# Altium PCB board_layout.pcbdoc (part 2 of 4) (continued)
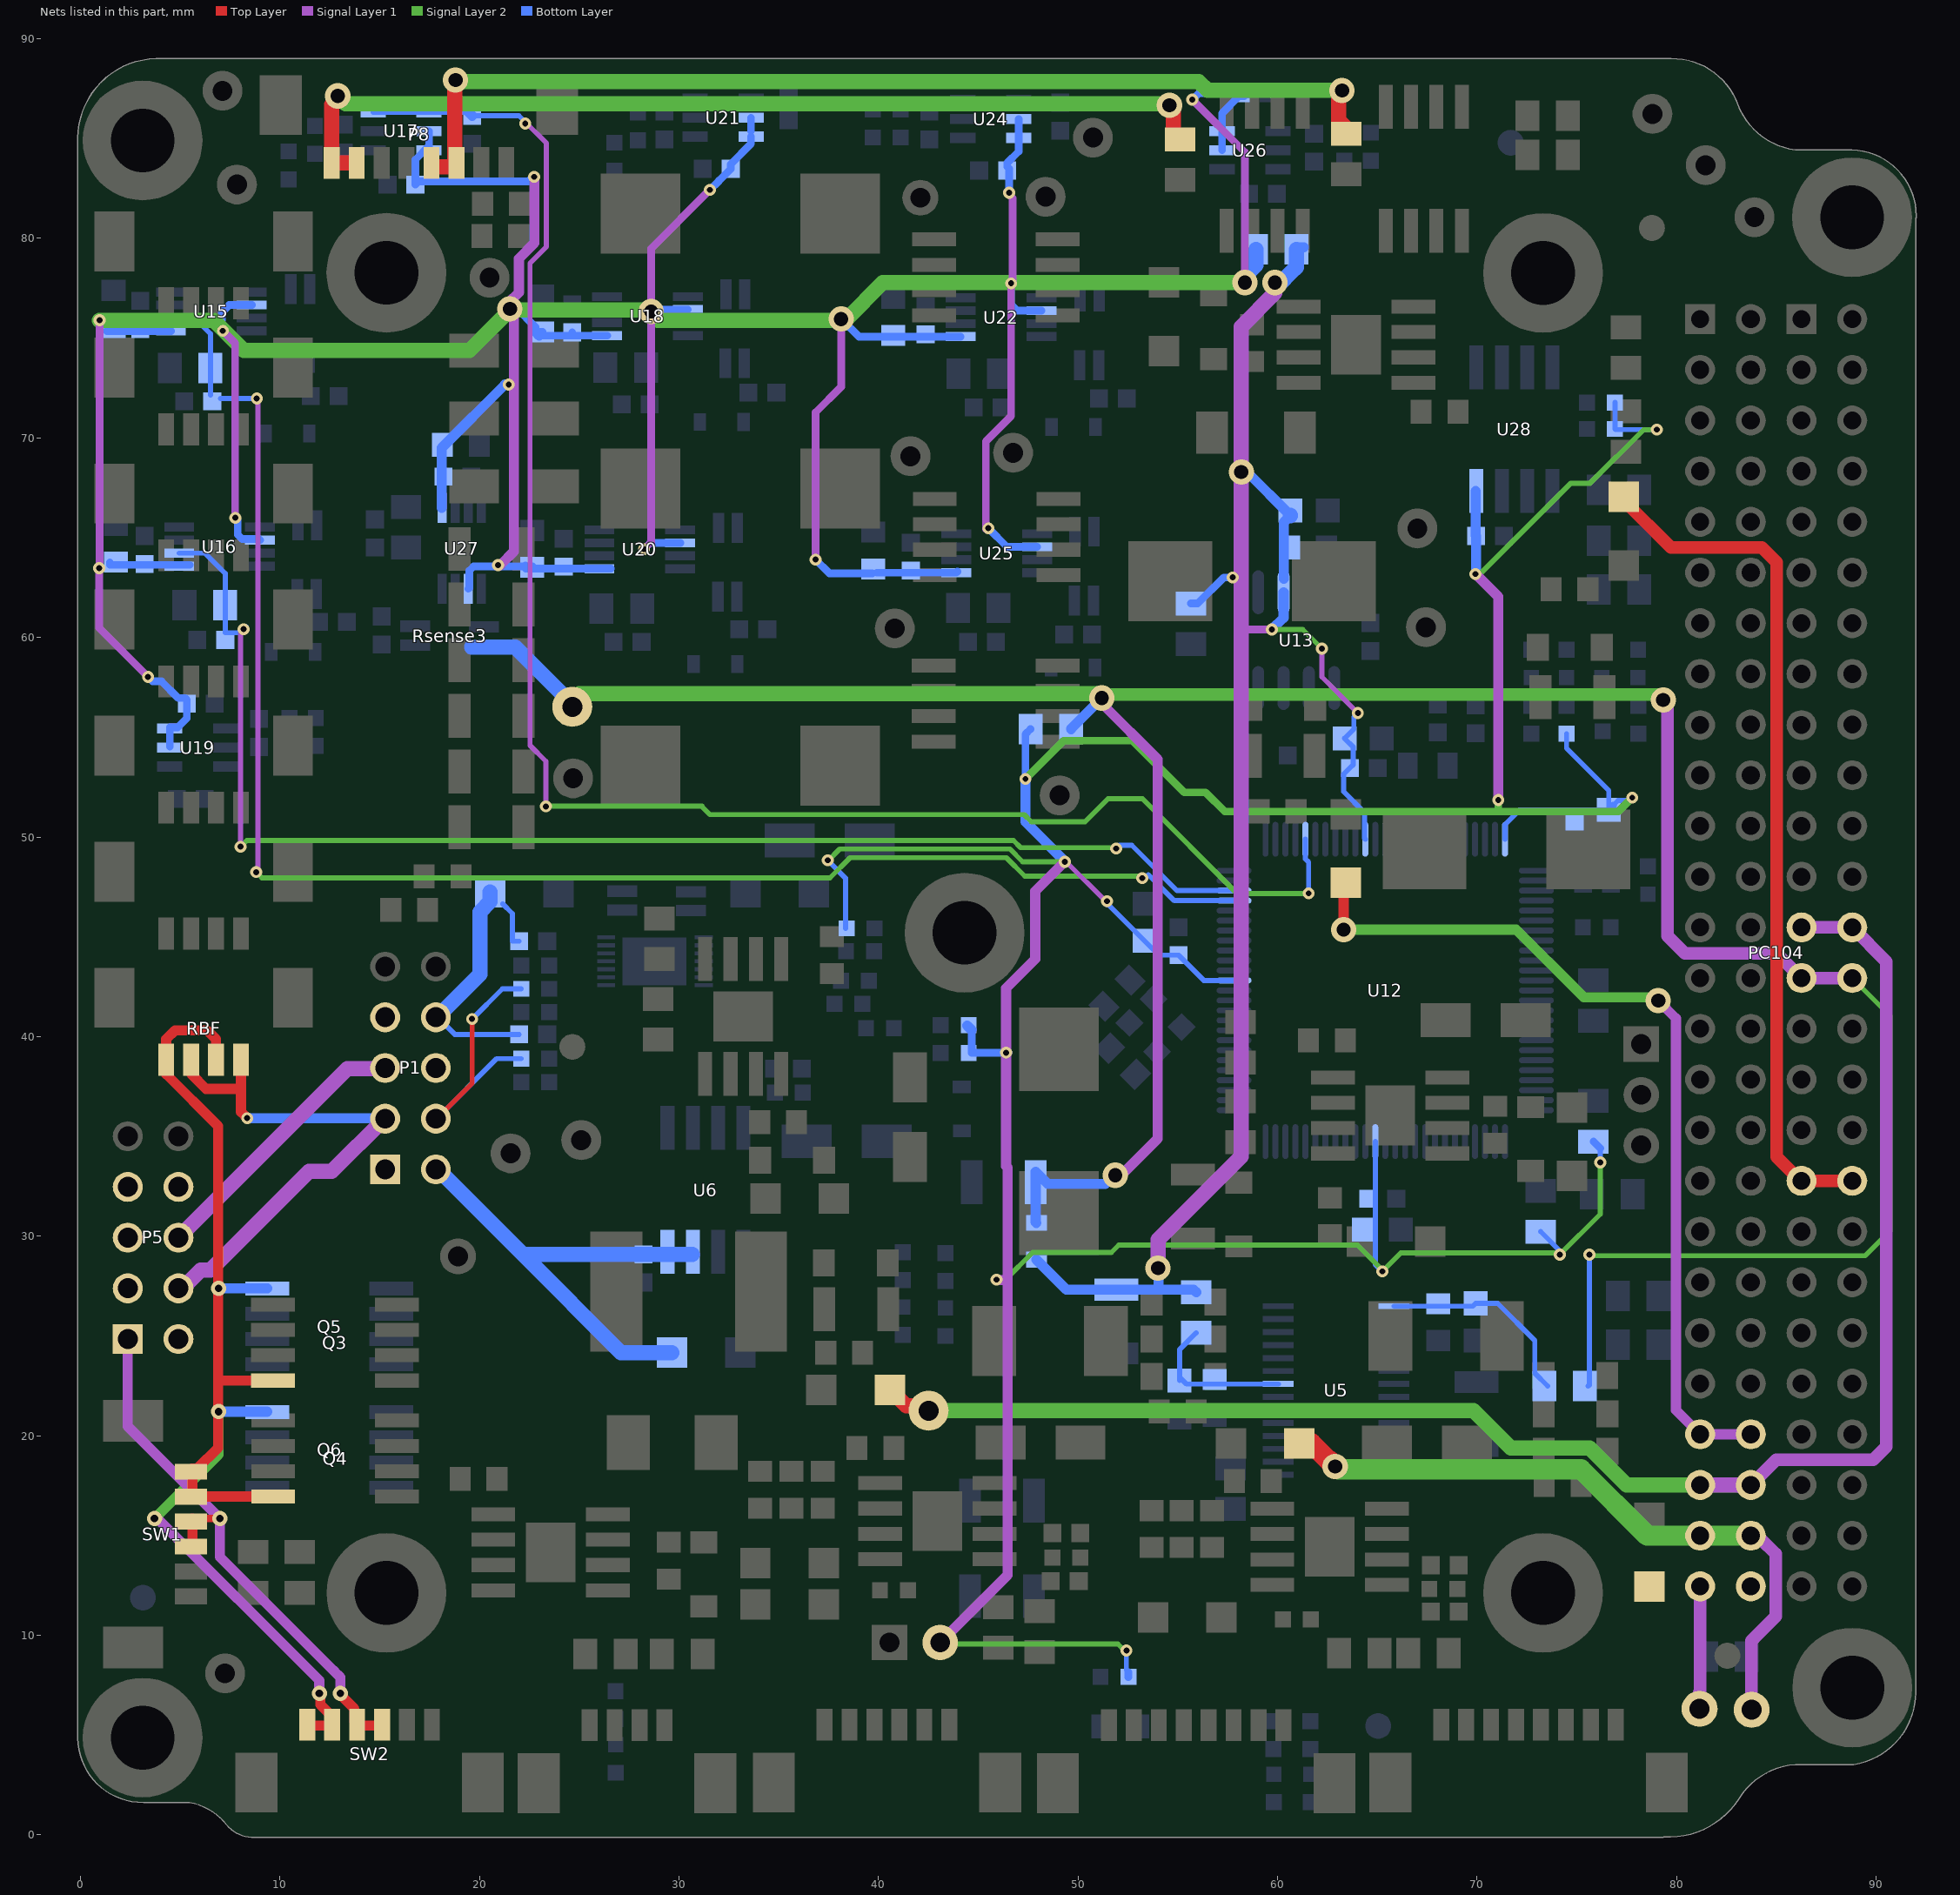
[diagram p4: the nets of this part, all layers, seen from the top]
## Part data (continued)
U6: "MOSFET 2N-CH 20V 9.4A 8SOIC", Case/Package=SOIC, Continuous Drain Current (ID)=9.4A, Drain to Source Breakdown Voltage=20V, Drain to Source Resistance=14mR, Gate to Source Voltage (Vgs)=12V, Input Capacitance=1.821nF, Manufacturer="ON Semiconductor / Fairchild", Max Operating Temperature=150°C, Max Power Dissipation=2W, Min Operating Temperature=-55°C, On-State Resistance=14MR, Package Quantity=2500, Supplier Part Number 1=512-FDS6898AZ, Threshold Voltage=1V, ComponentLink1Description=http://www.farnell.com/datasheets/78816.pdf?src-supplier=Element14, ComponentLink1URL=http://www.farnell.com/datasheets/78816.pdf?src-supplier=Element14, ComponentLink2Description=http://www.jameco.com/Jameco/Products/ProdDS/2036226.pdf?src-supplier=Jameco, ComponentLink2URL=http://www.jameco.com/Jameco/Products/ProdDS/2036226.pdf?src-supplier=Jameco, ComponentLink3Description=https://www.fairchildsemi.com/datasheets/FD/FDS6898AZ.pdf?src-supplier=Avnet+Europe, ComponentLink3URL=https://www.fairchildsemi.com/datasheets/FD/FDS6898AZ.pdf?src-supplier=Avnet+Europe, ComponentLink4Description=http://www.fairchildsemi.com/ds/FD/FDS6898AZ.pdf?src-supplier=Future+Electronics, ComponentLink4URL=http://www.fairchildsemi.com/ds/FD/FDS6898AZ.pdf?src-supplier=Future+Electronics, ComponentLink5Description=https://www.fairchildsemi.com/datasheets/FD/FDS6898AZ.pdf?src-supplier=Avnet, ComponentLink5URL=https://www.fairchildsemi.com/datasheets/FD/FDS6898AZ.pdf?src-supplier=Avnet, ComponentLink6Description=http://www.fairchildsemi.com/datasheets/FD/FDS6898AZ.pdf?src-supplier=Digi-Key, ComponentLink6URL=http://www.fairchildsemi.com/datasheets/FD/FDS6898AZ.pdf?src-supplier=Digi-Key, ComponentLink7Description=https://www.fairchildsemi.com/datasheets/FD/FDS6898AZ.pdf?src-supplier=Digi-Key, ComponentLink7URL=https://www.fairchildsemi.com/datasheets/FD/FDS6898AZ.pdf?src-supplier=Digi-Key, ComponentLink8Description=http://www.mouser.com/ds/2/149/FDS6898AZ-52419.pdf?src-supplier=Mouser, ComponentLink8URL=http://www.mouser.com/ds/2/149/FDS6898AZ-52419.pdf?src-supplier=Mouser, ComponentLink9Description=http://www.farnell.com/datasheets/78816.pdf?src-supplier=Farnell, ComponentLink9URL=http://www.farnell.com/datasheets/78816.pdf?src-supplier=Farnell, ComponentLink10Description=http://datasheet.iiic.cc/fairchild/FDS6898AZ.pdf?src-supplier=IIIC, ComponentLink10URL=http://datasheet.iiic.cc/fairchild/FDS6898AZ.pdf?src-supplier=IIIC, Contact Plating=Tin,Matte, Current Rating=9.4A, Drain to Source Voltage (Vdss)=20V, Dual Supply Voltage=20V, Element Configuration=Dual, Fall Time=16ns, FET Type="2 N-Channel", Height=1.5mm, Lead Free="Lead Free", Length=5mm, Manufacturer Part Number=FDS6898AZ, Mount="Surface Mount", Nominal Vgs=1V, Number of Elements=2, Number of Pins=8, Packaging="Tape and Reel", Partnumber=FDS6898AZ, Power Dissipation=2W, Pricing 1="1=0.95, 10=0.809, 100=0.607, 250=0.588, 500=0.514, 1000=0.419 (USD)", Pricing 2="1=0.95, 10=0.853, 25=0.8096, 100=0.6071, 250=0.60132, 500=0.5146, 1000=0.4192 (USD)", Rds On Max=14mR, REACH SVHC="No SVHC", Rise Time=15ns, Stock 1=4140, Stock 2=0, Supplier 1=Mouser, Supplier 2=Digi-Key, Supplier Part Number 2=FDS6898AZCT-ND, Termination=SMD/SMT, Turn-Off Delay Time=34ns, Turn-On Delay Time=10ns, Voltage Rating (DC)=20V, Weight=0.187g, Width=4mm
U7: "Battery Management 2-Cell, Stand-Alone, Li+ Fuel-Gauge IC with Protector and Optional SHA-1 Authentication", Case/Package=DFN, Manufacturer=Maxim, Manufacturer Part Number=DS2775G+, Max Operating Temperature=70°C, Max Supply Voltage=9.2V, Min Operating Temperature=-20°C, Min Supply Voltage=4V, Operating Supply Current=80uA, Output Voltage=4.7V, Package Quantity=60, Supplier Part Number 1=700-DS2775G, ComponentLink1Description=http://datasheets.maximintegrated.com/en/ds/DS2775-DS2778.pdf?src-supplier=Digi-Key, ComponentLink1URL=http://datasheets.maximintegrated.com/en/ds/DS2775-DS2778.pdf?src-supplier=Digi-Key, ComponentLink2Description=http://datasheets.maxim-ic.com/en/ds/DS2775-DS2778.pdf?src-supplier=Avnet+Europe, ComponentLink2URL=http://datasheets.maxim-ic.com/en/ds/DS2775-DS2778.pdf?src-supplier=Avnet+Europe, Interface=Serial, Mount="Surface Mount", Number of Pins=14, Packaging=Rail/Tube, Partnumber=DS2777G+, Pricing 2="1=5.92, 10=5.35, 25=5.1008, 100=4.2299, 250=3.85672, 500=3.8256 (USD)", Radiation Hardening=No, REACH SVHC=Unknown, Stock 1=0, Stock 2=193, Supplier 1=Mouser, Supplier 2=Digi-Key, Supplier Part Number 2=DS2775G+-ND
U10: Manufacturer="Texas Instruments", Max Input Voltage=36V, Max Operating Temperature=125°C, Max Output Current=3A, Max Output Voltage=31V, Min Input Voltage=5.5V, Min Operating Temperature=-40°C, Min Output Voltage=1.22V, Package Quantity=2500, Quiescent Current=3mA, Supplier Part Number 1=595-TPS5430QDDARQ1, Switching Frequency=500kHz, ComponentLink1Description=http://www.ti.com/general/docs/lit/getliterature.tsp?genericPartNumber=TPS5430-Q1&&fileType=pdf&src-supplier=Avnet, ComponentLink1URL=http://www.ti.com/general/docs/lit/getliterature.tsp?genericPartNumber=TPS5430-Q1&&fileType=pdf&src-supplier=Avnet, ComponentLink2Description=http://focus.ti.com/lit/ds/symlink/tps5430-q1.pdf?src-supplier=Avnet+Europe, ComponentLink2URL=http://focus.ti.com/lit/ds/symlink/tps5430-q1.pdf?src-supplier=Avnet+Europe, ComponentLink3Description=http://www.ti.com/lit/ds/symlink/tps5430-q1.pdf?src-supplier=Digi-Key, ComponentLink3URL=http://www.ti.com/lit/ds/symlink/tps5430-q1.pdf?src-supplier=Digi-Key, ComponentLink4Description=http://www.farnell.com/datasheets/2019094.pdf?src-supplier=Element14, ComponentLink4URL=http://www.farnell.com/datasheets/2019094.pdf?src-supplier=Element14, ComponentLink5Description=http://www.ti.com/lit/gpn/tps5430-q1?src-supplier=Mouser, ComponentLink5URL=http://www.ti.com/lit/gpn/tps5430-q1?src-supplier=Mouser, ComponentLink6Description=http://datasheet.iiic.cc/texas_instruments/TPS5430QDDARQ1.pdf?src-supplier=IIIC, ComponentLink6URL=http://datasheet.iiic.cc/texas_instruments/TPS5430QDDARQ1.pdf?src-supplier=IIIC, Efficiency=95%, Lead Free="Lead Free", Manufacturer Part Number=TPS5430QDDARQ1, Mount="Surface Mount", Number of Outputs=1, Number of Pins=8, Operating Supply Voltage=36V, Output Current=3A, Output Type=Adjustable, Output Voltage=31V, Packaging="Tape and Reel", Partnumber=TPS5430QDDARQ1, Pricing 1="1=4.82, 10=4.32, 25=4.09, 100=3.36, 250=3.02, 500=2.91 (USD)", Pricing 2="1=4.81, 10=4.32, 25=4.0836, 100=3.3578, 250=3.01292, 500=2.904, 1000=2.41395 (USD)", Radiation Hardening=No, REACH SVHC="No SVHC", Stock 1=2625, Stock 2=2162, Supplier 1=Mouser, Supplier 2=Digi-Key, Supplier Part Number 2=296-23177-1-ND, Synchronous Rectifier=No, Weight=0.00249oz
U12: "Imported", Alternate PartNumber=MSP430F6659IPZ, Case/Package=LQFP, Frequency=20MHz, Manufacturer="Texas Instruments", Max Operating Temperature=85°C, Max Supply Voltage=3.6V, Min Operating Temperature=-40°C, Min Supply Voltage=1.8V, Package Quantity=90, Supplier Part Number 1=595-MSP430F6659IPZ, ComponentLink1Description=http://www.ti.com/general/docs/lit/getliterature.tsp?genericPartNumber=MSP430F6659&&fileType=pdf&src-supplier=Element14, ComponentLink1URL=http://www.ti.com/general/docs/lit/getliterature.tsp?genericPartNumber=MSP430F6659&&fileType=pdf&src-supplier=Element14, CompType=IC, Core Architecture=CPUXV2, Data Bus Width=16b, Interface=SPI,USB,UART,I2C,IrDA,USART,SCI, Lead Free="Lead Free", Manufacturer Part Number=MSP430F6659IPZ, Max Frequency=20MHz, Memory Size=512KB, Memory Type=FLASH, Mount="Surface Mount", MountType=SMT, Number of A/D Converters=16, Number of I/Os=74, Number of Pins=100, Number of Programmable I/O=74, Number of Timers/Counters=4, Number of UART Channels=3, Oscillator Type=Internal, PackageReference=PZ0100A, Packaging=Tray, Partnumber=MSP430F6659IPZR, Peripherals="Brown-out Detect/Reset,POR,PWM,WDT,DMA,LCD", PIN_COUNT=100, Pricing 1="1=13.59, 10=12.49, 25=11.97, 100=10.55, 250=10.03, 500=9.39 (USD)", Pricing 2="1=13.59, 10=12.487, 25=11.9696, 100=10.5461, 250=10.02852, 500=9.3815, 1000=8.6051, 2500=8.2816, 5000=8.0228 (USD)", RAM Size=66KB, REACH SVHC="No SVHC", RefDes=RefDes, RoHS=Y, Stock 1=288, Stock 2=457, Supplier 1=Mouser, Supplier 2=Digi-Key, Supplier Part Number 2=296-41521-ND, Type=DEV, Watchdog Timer=Yes
U13: library part REF5025A-Q1, "REF5025A-Q1", Case/Package=D, Manufacturer="Texas Instruments", Max Input Voltage=18V, Max Operating Temperature=125°C, Max Output Current=10mA, Max Output Voltage=2.5V, Min Input Voltage=2.7V, Min Operating Temperature=-40°C, Nominal Supply Current=800uA, Operating Supply Current=1.2mA, Package Quantity=1, Supplier Part Number 1=595-REF5025AQDRQ1, Temperature Coefficient=3ppm/°C, Tolerance=0.1%, ComponentLink1Description=http://www.ti.com/lit/ds/symlink/ref5025a-q1.pdf?src-supplier=Digi-Key, ComponentLink1URL=http://www.ti.com/lit/ds/symlink/ref5025a-q1.pdf?src-supplier=Digi-Key, Lead Free="Lead Free", Manufacturer Part Number=REF5025AQDRQ1, Min Output Voltage=2.5V, Number of Pins=8, Output Current=10mA, Output Type=Fixed, Output Voltage=2.5V, Packaging="Tape and Reel", Partnumber=REF5025AQDRQ1, Pricing 1="1=3.45, 10=3.09, 25=2.93, 100=2.41, 250=2.16, 500=2.08 (USD)", Pricing 2="1=3.44, 10=3.089, 25=2.9204, 100=2.4013, 250=2.15468, 500=2.0768, 1000=1.72634 (USD)", Quiescent Current=800uA, Radiation Hardening=No, Reference Type=Series, Stock 1=493, Stock 2=1161, Supplier 1=Mouser, Supplier 2=Digi-Key, Supplier Part Number 2=296-24222-1-ND, Weight=0.002677oz
U15 U16 U18 U20 U22 U25 U27: Case/Package=UMAX, Input Bias Current=35uA, Input Offset Voltage (Vos)=10uV, Manufacturer=Maxim, Max Operating Temperature=125°C, Max Supply Voltage=3.6V, Min Operating Temperature=-40°C, Min Supply Voltage=2.5V, Nominal Supply Current=120uA, Package Quantity=50, Supplier Part Number 1=700-MAX9934TAUA, -3db Bandwidth=1.5kHz, Bandwidth=1.5kHz, Common Mode Rejection Ratio=128dB, ComponentLink1Description=https://media.digikey.com/pdf/Data%20Sheets/Maxim%20PDFs/PartNumberBreakdown_ds.pdf?src-supplier=Digi-Key, ComponentLink1URL=https://media.digikey.com/pdf/Data%20Sheets/Maxim%20PDFs/PartNumberBreakdown_ds.pdf?src-supplier=Digi-Key, Manufacturer Part Number=MAX9934TAUA+, Number of Amplifiers=1, Number of Circuits=1, Number of Pins=8, Operating Supply Current=120uA, Packaging=Rail/Tube, Partnumber=MAX9934TAUA+, Pricing 1="1=2.18, 10=1.96, 25=1.85, 50=1.85, 100=1.56, 250=1.56 (USD)", Pricing 2="1=2.35, 10=2.112, 25=1.9964, 100=1.6414, 250=1.55904 (USD)", Radiation Hardening=No, REACH SVHC=Unknown, Stock 1=542, Stock 2=2797, Supplier 1=Mouser, Supplier 2=Digi-Key, Supplier Part Number 2=MAX9934TAUA+-ND
U17 U19 U21 U24 U26: Case/Package=SOT-23-6, Input Bias Current=3nA, Input Offset Voltage (Vos)=1.25mV, Manufacturer="Texas Instruments", Max Operating Temperature=125°C, Max Supply Voltage=5.5V, Min Operating Temperature=-40°C, Min Supply Voltage=1.5V, Nominal Supply Current=150uA, Operating Supply Current=75uA, Output Current=115mA, Package Quantity=1, Supplier Part Number 1=595-TLV341AIDBVR, Voltage Gain=110dB, Bandwidth=2.2MHz, Common Mode Rejection Ratio=50dB, ComponentLink1Description=http://www.ti.com/lit/ds/symlink/tlv341.pdf?src-supplier=Digi-Key, ComponentLink1URL=http://www.ti.com/lit/ds/symlink/tlv341.pdf?src-supplier=Digi-Key, ComponentLink2Description=http://focus.ti.com/lit/ds/symlink/tlv341.pdf?src-supplier=Avnet, ComponentLink2URL=http://focus.ti.com/lit/ds/symlink/tlv341.pdf?src-supplier=Avnet, Gain Bandwidth Product=2.3MHz, Lead Free="Lead Free", Manufacturer Part Number=TLV341AIDBVR, Max I/O Voltage=1.25mV, Nominal Gain Bandwidth Product=2.2MHz, Number of Channels=1, Number of Circuits=1, Number of Elements=1, Number of Pins=6, Output Current per Channel=115mA, Packaging="Tape and Reel", Partnumber=TLV341AIDBVR, Pricing 1="1=1.1, 10=0.927, 100=0.712, 250=0.629, 500=0.596, 1000=0.464 (USD)", Pricing 2="1=1.09, 10=0.976, 25=0.9268, 100=0.7117, 250=0.62892, 500=0.5958, 1000=0.4634 (USD)", Radiation Hardening=No, Slew Rate=0.9V/µs, Stock 1=2448, Stock 2=1726, Supplier 1=Mouser, Supplier 2=Digi-Key, Supplier Part Number 2=296-17680-1-ND, Unity Gain Bandwidth Product=2.3MHz
U28: "IC SIGNAL BUFFER I2C 8SOIC", Case/Package=SOIC, Manufacturer="Texas Instruments", Max Frequency=400kHz, Max Operating Temperature=85°C, Max Supply Current=7mA, Max Supply Voltage=5.5V, Min Operating Temperature=-40°C, Min Supply Voltage=2.7V, Operating Supply Current=5.1mA, Package Quantity=1, Supplier Part Number 1=595-TCA4311ADR, ComponentLink1Description=http://www.ti.com/general/docs/lit/getliterature.tsp?genericPartNumber=TCA4311A&&fileType=pdf&src-supplier=Avnet, ComponentLink1URL=http://www.ti.com/general/docs/lit/getliterature.tsp?genericPartNumber=TCA4311A&&fileType=pdf&src-supplier=Avnet, ComponentLink2Description=http://www.ti.com/lit/ds/symlink/tca4311a.pdf?src-supplier=Avnet+Europe, ComponentLink2URL=http://www.ti.com/lit/ds/symlink/tca4311a.pdf?src-supplier=Avnet+Europe, ComponentLink3Description=http://www.ti.com/lit/ds/symlink/tca4311a.pdf?src-supplier=Digi-Key, ComponentLink3URL=http://www.ti.com/lit/ds/symlink/tca4311a.pdf?src-supplier=Digi-Key, ComponentLink4Description=https://www.verical.com/server-webapp/html/getDatasheet?partID=424385&src-supplier=Verical, ComponentLink4URL=https://www.verical.com/server-webapp/html/getDatasheet?partID=424385&src-supplier=Verical, ComponentLink5Description=http://www.produktinfo.conrad.com/datenblaetter/1100000-1199999/001187988-da-01-en-IC_BUS_BUFF_I2C_HO_TCA4311ADR_SOIC_8_TID.pdf?src-supplier=Conrad, ComponentLink5URL=http://www.produktinfo.conrad.com/datenblaetter/1100000-1199999/001187988-da-01-en-IC_BUS_BUFF_I2C_HO_TCA4311ADR_SOIC_8_TID.pdf?src-supplier=Conrad, Contact Plating=Gold, Depth=4mm, Interface=I2C, Lead Free="Lead Free", Length=5mm, Manufacturer Part Number=TCA4311ADR, Mount="Surface Mount", Number of Channels=1, Number of Outputs=2, Number of Pins=8, Packaging="Tape and Reel", Partnumber=TCA4311ADR, Pricing 1="1=2.07, 10=1.75, 100=1.4, 250=1.23, 500=1.19, 1000=0.945 (USD)", Pricing 2="1=2.07, 10=1.855, 25=1.75, 100=1.4, 250=1.225, 500=1.19, 1000=0.945 (USD)", Radiation Hardening=No, REACH SVHC="No SVHC", Stock 1=2408, Stock 2=4307, Supplier 1=Mouser, Supplier 2=Digi-Key, Supplier Part Number 2=296-30189-1-ND
UART: library part "Header 3H", "Header, 3-Pin, Right Angle", Contact Current Rating=3A, Flammability Rating="UL94 V-0", High Temperature Housing=No, Housing Color=Black, Insulation Resistance=5GR, Manufacturer="TE Connectivity AMP", Manufacturer Part Number=4-103327-5, Max Operating Temperature=105°C, Min Operating Temperature=-65°C, Package Quantity=540, Supplier Part Number 1=571-4-103327-5, Approvals=CSA, Board Standoff="No (Without)", Connector Type=Plug,Header,Pin, Contact Gender=Male, Contact Material=Bronze, Contact Mating Length=0.23inch, Contact Plating=Tin, Contact Post Length=0.12inch, Contact Protection="No (Without)", Contact Shape=Square, Current Rating=3A, Depth=2.34mm, ELV=Compliant, Fitted="Yes (eng model only)", Gasket="No (Without)", High Speed Serial Data Connector=No, Housing Material=Thermoplastic, Keyed=No, LatestRevisionDate=17-Jul-2002, LatestRevisionNote="Re-released for DXP Platform.", Length=7.21mm, Mating Connector Lock="No (Without)", Mount="Through Hole", Number of Contacts=3, Number of Positions=3, Number of Rows=1, Orientation=Straight, Packaging=Carton, Partnumber=4-103327-5, PCB Mount Retention=Without, PCB Mounting Orientation=Vertical, Pitch=2.54mm, Pricing 1="1=0.26, 10=0.182, 100=0.157, 500=0.15, 1000=0.125, 2500=0.107 (USD)", Pricing 2="1=0.26, 10=0.25, 100=0.1753, 500=0.1503, 1000=0.12525, 5000=0.10736, 10000=0.1002 (USD)", Publisher="Altium Limited", Radiation Hardening=No, Row Spacing=2.54mm, Selectively Loaded="No (Without)", Stabilizers="No (Without)", Stock 1=2961, Stock 2=16328, Strain Relief="No (Without)", Supplier 1=Mouser, Supplier 2=Digi-Key, Supplier Part Number 2=A128778-ND, Termination="Through Hole"
V1 V2 V3 V4: library part R27_5%_1/10W_0805, "RES 47k OHM 1/10W 1% 0805", Partnumber=RC0805FR-0747KL, NCM=8533.21.20
Y1: library part XTAL_32MHz_SMD_4-SMD, "32MHz ±10ppm Crystal 10pF 60 Ohm -40°C ~ 125°C", Case/Package=SMD/SMT, ESR (Equivalent Series Resistance)=60R, Frequency=32MHz, Frequency Stability=25ppm, Frequency Tolerance=10ppm, Load Capacitance=10pF, Manufacturer=Abracon, Manufacturer Part Number=ABM8X-102-32.000MHZ-T, Max Operating Temperature=125°C, Min Operating Temperature=-40°C, Package Quantity=1000, Supplier Part Number 1=815-ABM8X-102-32.0-T, Tolerance=50ppm, ComponentLink1Description=http://www.mouser.com/ds/2/3/ABM8X-39996.pdf?src-supplier=Mouser, ComponentLink1URL=http://www.mouser.com/ds/2/3/ABM8X-39996.pdf?src-supplier=Mouser, ComponentLink2Description=http://abracon.com/Resonators/ABM8X.pdf?src-supplier=Digi-Key, ComponentLink2URL=http://abracon.com/Resonators/ABM8X.pdf?src-supplier=Digi-Key, Composition=Ceramic, Height=0.024inch, Length=0.126inch, Mount="Surface Mount", NCM=8541.60.10, Packaging="Tape and Reel", Partnumber=ABM8X-102-32.000MHZ-T, Pricing 1="1=6.08, 10=5.86, 25=5.68, 50=5.51, 100=5.35, 250=5.19 (USD)", Pricing 2="1=6.22, 10=5.864, 50=5.6866, 100=5.5089, 500=5.15344 (USD)", Stock 1=365, Stock 2=689, Supplier 1=Mouser, Supplier 2=Digi-Key, Supplier Part Number 2=535-11454-1-ND, Termination=SMD/SMT, Width=2.5mm
Y2: library part Xtal_32.768kHz_12pF_2_SMD, "32.768kHz ±20ppm Crystal 12.5pF 70 kOhm -40°C ~ 125°C", Case/Package=SMD/SMT, ESR (Equivalent Series Resistance)=70kR, Frequency=32.768kHz, Frequency Tolerance=20ppm, Load Capacitance=12.5pF, Manufacturer="ECS International", Manufacturer Part Number=ECS-.327-12.5-34S-TR, Max Operating Temperature=125°C, Min Operating Temperature=-40°C, Package Quantity=3000, Supplier Part Number 1=520-ECS32.7-12.534ST, ComponentLink1Description=http://www.ecsxtal.com/store/pdf/ECX_34S.pdf?src-supplier=Digi-Key, ComponentLink1URL=http://www.ecsxtal.com/store/pdf/ECX_34S.pdf?src-supplier=Digi-Key, ComponentLink2Description=http://www.ecsxtal.com/store/pdf/partnumber4.pdf?src-supplier=Digi-Key, ComponentLink2URL=http://www.ecsxtal.com/store/pdf/partnumber4.pdf?src-supplier=Digi-Key, Height=0.035inch, Lead Free="Lead Free", Lead Pitch=1.8mm, Length=0.126inch, Mount="Surface Mount", NCM=8541.60.10, Number of Pins=2, Packaging="Tape and Reel", Partnumber=ECS-.327-12.5-34S-TR, Pricing 1="1=1.25, 10=1.11, 50=1.04, 100=0.913, 500=0.864, 1000=0.72 (USD)", Pricing 2="1=1.07, 10=0.944, 50=0.8828, 100=0.7802, 500=0.73918, 1000=0.61598 (USD)", Stock 1=9496, Stock 2=16165, Supplier 1=Mouser, Supplier 2=Digi-Key, Supplier Part Number 2=XC1967CT-ND, Termination=SMD/SMT, Tolerance=20ppm, Width=1.5mm

## Free pads (board coordinates)
  round 2 hole 1: 4(7.126,87.396) 4(83.9,81.058) 5(7.256,8.096)

## Via types
v1: diameter 0.6, hole 0.3, Top Layer to Bottom Layer, tented both sides, 251 vias
v2: diameter 1.27, hole 0.711, Top Layer to Bottom Layer, tented both sides, 53 vias
v3: diameter 1.27, hole 0.711, Top Layer to Bottom Layer, 24 vias
v4: diameter 0.762, hole 0.381, Top Layer to Bottom Layer, tented both sides, 9 vias
v5: diameter 0.6, hole 0.3, Top Layer to Bottom Layer, 2 vias
v6: diameter 1.15, hole 0.6, Top Layer to Bottom Layer, tented both sides, 1 vias

## Nets (pads, with @x,y where several pads share a name; then routed paths per layer and width w, separated by ;. In a path a pad name is that pad's centre, name@x,y a point inside that pad or via, vN(x,y) a via of type N, cw(c..) or ccw(c..) an arc to the next point about the centre after c; other vN are vias at no path point)
3V3_DEPLOYMENT_ANT: PC104.H2-35 PC104.H2-36 R21.1 | length 43.2
  Top Layer w0.254: PC104.H2-35@86.206,32.776 PC104.H2-35@86.256,32.776
  Top Layer w0.635: R21.1@77.344,67.041 77.344,66.876 79.719,64.501 84.276,64.501 85.006,63.772 85.006,33.976 PC104.H2-35@86.206,32.776 ; PC104.H2-35@86.256,32.776 PC104.H2-36@88.796,32.776
3V3_EPS_BEACON: 3V3EPS.1 C50.1 FB1.1 J_V1.2 J_V3.2 PC104.H2-27 PC104.H2-28 Rsense3.2 | length 152.7
  Signal Layer 1 w0.508: v2(51.19,56.97) 51.19,56.694 53.987,53.898 53.987,34.886 52.156,33.056 v2(51.866,33.056)
  Signal Layer 1 w0.635: v2(79.326,56.866) 79.54,56.652 79.54,45.052 80.411,44.181 85.011,44.181 PC104.H2-27@86.256,42.936 PC104.H2-28@88.796,42.936
  Signal Layer 2 w0.254: v1(75.624,29.083) 75.681,29.026 89.446,29.026 90.686,30.266 90.686,41.046 PC104.H2-28@88.796,42.936
  Signal Layer 2 w0.635: v2(51.19,56.97) 51.37,57.15 79.042,57.15 v2(79.326,56.866)
  Signal Layer 2 w0.762: 3V3EPS.1@24.996,57.186 50.974,57.186 v2(51.19,56.97)
  Bottom Layer w0.254: J_V1.2@75.567,22.49 75.621,22.544 75.621,29.08 v1(75.624,29.083)
  Bottom Layer w0.508: FB1.1@47.916,30.671 47.876,30.711 C50.1@47.876,32.716 47.876,33.236 48.486,32.626 51.366,32.626 ; J_V3.2@49.652,55.41 49.652,55.432 v2(51.19,56.97)
  Bottom Layer w0.762: Rsense3.2@19.606,59.516 21.796,59.516 3V3EPS.1@24.331,56.981
3V3_HEATER: C32.1 C33.1 J_V1.1 U5.1 | length 10.4
  Bottom Layer w0.254: U5.1@65.836,26.496 69.786,26.496 C33.1@69.926,26.636 71.027,26.636 72.89,24.773 72.89,23.135 J_V1.1@73.535,22.49
3V3_M: C71.2 C101.2 C102.1 C103.1 C104.1 C105.1 C106.1 C107.1 C108.2 C109.2 C110.2 C111.2 C112.2 C113.2 C114.2 C115.2 C116.2 C121.2 C130.1 J_V5.1 U15.1 U15.6 U16.1 U16.6 U17.5 U17.6 U18.1 U18.6 U19.5 U19.6 U20.1 U20.6 U21.5 U21.6 U22.1 U22.6 U24.5 U24.6 U25.1 U25.6 U26.5 U26.6 U27.1 U27.6 | length 256.5
  Signal Layer 1 w0.381: v1(0.948,63.474) 0.948,60.474 v1(3.396,58.026) ; v1@0.968,63.324 v1(0.968,75.904) ; v1(7.146,75.366) 7.762,74.75 v1@7.762,65.996 ; v1@28.256,64.436 28.606,64.786 v2(28.606,76.336) 28.606,79.486 v1(31.546,82.426) ; v1@36.846,63.976 36.846,71.276 38.13,72.56 v2(38.13,75.96) ; v1@45.378,65.436 45.378,69.823 46.646,71.091 v1(46.646,77.746) ; v1@46.426,82.316 46.726,82.016 v1@46.726,77.806 ; v1(55.73,86.946) 58.366,84.31 v2(58.366,77.786)
  Signal Layer 1 w0.508: v1@21.046,63.626 21.736,64.316 21.736,76.266 21.532,76.47 v2(21.53,76.47) 21.53,76.772 21.496,76.806 21.981,77.291 21.981,78.991 22.751,79.761 22.751,83.069 v1(22.74,83.08)
  Signal Layer 2 w0.762: v1@0.968,75.886 6.694,75.886 8.188,74.392 19.502,74.392 21.53,76.42 28.41,76.42 28.94,75.89 v2@38.13,75.89 ; v2@28.606,76.256 v2(28.606,76.336) ; v2(38.13,75.96) 38.4,75.96 40.226,77.786 v2(58.366,77.786)
  Bottom Layer w0.381: C106.1@1.486,63.761 1.486,63.636 U16.1@5.486,63.636 ; C105.1@1.516,75.541 1.334,75.359 U15.1@4.545,75.359 ; v1(3.396,58.026) 3.616,57.806 4.066,57.806 4.906,56.966 5.256,56.966 5.336,56.886 C115.2@5.336,56.686 5.336,55.956 4.872,55.492 4.485,55.492 U19.5@4.485,54.542 ; v1(7.146,75.366) 7.096,75.416 7.096,76.286 7.469,76.659 U15.6@8.595,76.659 ; v1(7.766,65.996) 7.889,65.873 7.889,65.152 8.105,64.936 8.95,64.936 U16.6@9.007,64.879 ; U17.5@17.476,85.366 17.476,84.626 16.796,83.946 C114.2@16.796,82.696 16.953,82.853 22.449,82.853 22.676,83.08 v1(22.74,83.08) ; U27.6@19.441,62.441 19.498,62.498 19.498,63.344 19.713,63.559 C102.1@22.306,63.559 ; v2(21.53,76.47) 21.82,76.47 21.856,76.506 22.816,75.546 22.816,75.311 C103.1@23.156,75.311 ; C102.1@22.306,63.621 C102.1@22.306,63.559 ; C102.1@22.656,63.511 22.656,63.559 C102.1@22.306,63.559 ; C103.1@22.998,75.129 C109.2@24.656,75.129 ; C109.2@24.656,75.286 C109.2@24.656,75.129 ; U18.1@26.405,75.129 C109.2@24.656,75.129 ; U20.1@26.586,63.456 24.226,63.456 22.336,63.456 22.306,63.496 C102.1@22.306,63.559 ; v1(28.248,64.424) 28.564,64.739 U20.6@30.065,64.739 ; v2(28.606,76.336) 28.699,76.429 U18.6@30.455,76.429 ; v1(31.546,82.426) 31.788,82.668 31.799,82.668 32.014,82.884 32.014,82.894 32.596,83.476 C113.2@32.596,83.486 32.596,83.716 33.616,84.736 U21.6@33.616,85.097 ; 33.616,85.366 U21.5@33.616,86.047 ; v1(36.848,63.904) 37.534,63.218 C107.1@39.695,63.218 ; v2(38.13,75.96) 39.014,75.076 U22.1@44.116,75.076 ; C107.1@39.927,63.246 U25.1@43.896,63.246 U25.1@43.953,63.303 ; v1(45.508,65.474) 46.436,64.546 U25.6@47.946,64.546 ; v1(46.546,82.286) 46.546,83.496 46.446,83.596 46.446,83.775 47.027,84.356 U24.6@47.027,85.03 U24.5@47.027,85.98 ; v1(46.646,77.746) 46.646,76.676 46.946,76.376 U22.6@48.166,76.376 ; v1(55.73,86.946) 56.06,87.276 C121.2@58.156,87.276 ; U26.5@57.216,84.416 U26.6@57.216,85.366 57.216,86.266 58.061,87.111 C121.2@58.321,87.111 ; v2(58.366,77.786) v2@58.366,78.095
  Bottom Layer w0.508: U27.1@18.112,66.491 18.112,69.503 21.283,72.674 v1(21.468,72.674) ; C103.1@22.816,75.311 C103.1@22.998,75.129
  Bottom Layer w0.762: v2@58.366,78.095 58.924,78.653 J_V5.1@58.924,79.45
  other v1: 20.938,63.624
3V3_MCU: C58.1 C60.1 C122.1 C123.1 C124.1 C125.1 C133.1 CN1.2 J_V3.1 R61.2 R62.2 R64.1 R65.1 R66.1 R83.1 R84.1 U12.25 U12.64 U12.89 U28.8 V2.1 V4.1 | length 213.4
  Signal Layer 1 w0.254: v1(49.336,48.766) 49.406,48.766 51.386,46.786 v1(51.456,46.786)
  Signal Layer 1 w0.508: CN1.2@43.09,9.643 46.476,13.029 46.476,27.796 ; v1(45.916,27.826) 45.94,27.802 46.47,27.802 46.476,27.796 ; v1(46.398,39.198) 46.398,42.431 47.858,43.891 47.858,47.288 v1(49.336,48.766) ; v1@46.456,39.198 46.398,39.139 46.398,33.519 46.476,33.441 46.476,27.796 ; v1(69.92,63.18) 71.06,62.04 v1(71.06,51.86)
  Signal Layer 2 w0.254: v1@37.466,48.806 38.062,49.403 46.588,49.403 47.224,48.766 v1(49.336,48.766) ; CN1.2@43.09,9.643 43.169,9.564 51.995,9.564 52.323,9.236 v1(52.426,9.236) ; v1(45.916,27.826) 46.366,27.826 47.726,29.186 51.666,29.186 52.04,29.56 59.452,29.56 59.454,29.558 59.97,29.558 59.972,29.56 64.002,29.56 65.286,28.276 66.18,29.17 74.059,29.17 v1(74.145,29.083) 76.17,31.108 v1(76.17,33.697) ; v1(69.92,63.18) 70.149,63.18 74.7,67.731 75.661,67.731 78.35,70.42 v1(79.011,70.42)
  Signal Layer 2 w0.381: v1(47.366,52.916) 49.279,54.829 52.73,54.829 55.318,52.241 56.391,52.241 57.356,51.276 71.14,51.276 ; v1(65.246,28.236) v1@65.286,28.276 ; v1(71.06,51.86) 71.06,51.396 71.16,51.296 71.14,51.276 ; v1(77.776,51.976) 77.076,51.276 71.14,51.276
  Bottom Layer w0.254: v1(37.456,48.836) 38.346,47.946 R64.1@38.346,45.425 ; v1@51.456,46.676 C123.1@53.336,44.796 54.046,44.086 C122.1@55.036,44.086 56.306,42.816 U12.89@57.821,42.816 ; v1(52.426,9.236) 52.426,8.255 R62.2@52.524,8.156 ; U12.64@64.896,34.741 64.896,31.876 64.896,28.586 v1(65.246,28.236) ; U12.25@71.396,49.891 71.396,50.626 72.126,51.356 C60.1@76.596,51.356 76.596,52.331 74.479,54.448 R61.2@74.479,55.178 ; V4.1@73.181,30.23 74.145,29.266 v1(74.145,29.083) ; v1(76.17,33.697) V2.1@76.17,34.404 ; C60.1@76.811,51.571 77.07,51.83 77.63,51.83 v1(77.776,51.976) ; R66.1@76.908,71.774 R65.1@76.908,70.45 76.938,70.42 v1(79.011,70.42)
  Bottom Layer w0.381: v1(47.366,52.916) 47.366,55.156 J_V3.1@47.62,55.41 ; v1@51.456,46.676 v1(51.456,46.786) ; R62.2@52.524,7.916 R62.2@52.524,8.156 ; V2.1@75.83,34.744 V2.1@76.17,34.404 ; C60.1@76.596,51.356 C60.1@76.811,51.571
  Bottom Layer w0.384: R83.1@44.669,40.331 44.669,39.198 v1(46.398,39.198)
  Bottom Layer w0.508: R83.1@44.45,40.55 R83.1@44.669,40.331 ; v1(47.366,52.916) 47.366,50.766 v1@49.356,48.776 ; v1(69.92,63.18) 69.95,63.21 C133.1@69.95,65.09 69.927,65.113 U28.8@69.927,67.335
3V3_OBDH: PC104.H1-45 PC104.H1-46 R16.1 | length 44.5
  Top Layer w0.508: v2(63.314,45.36) R16.1@63.314,47.51
  Signal Layer 1 w0.508: v2(79.076,41.806) 79.966,40.916 79.966,21.286 PC104.H1-45@81.176,20.076 PC104.H1-46@83.716,20.076
  Signal Layer 2 w0.508: v2(63.314,45.36) 71.952,45.36 75.346,41.966 78.916,41.966 v2(79.076,41.806)
5V_PAYLOAD: 5V.1 PC104.H1-47 PC104.H1-48 PC104.H2-25 PC104.H2-26 R55.1 | length 84.7
  Top Layer w0.762: R55.1@40.57,22.306 41.384,21.493 41.94,21.493 42.225,21.209 5V.1@42.225,20.79
  Signal Layer 1 w0.635: PC104.H1-48@83.716,17.536 84.986,18.806 89.851,18.806 90.506,19.462 90.506,43.766 PC104.H2-26@88.796,45.476 PC104.H2-25@86.256,45.476
  Signal Layer 1 w0.762: PC104.H1-47@81.176,17.536 PC104.H1-48@83.716,17.536
  Signal Layer 2 w0.762: 5V.1@42.512,21.256 69.827,21.256 71.7,19.383 75.646,19.383 77.493,17.536 PC104.H1-47@81.176,17.536 PC104.H1-48@83.716,17.536
5V_Radio_0: 5V_RADIO_0.1 PC104.H1-49 PC104.H1-50 R10.1 | length 33.8
  Top Layer w1.016: R10.1@61.42,19.626 61.686,19.626 62.596,18.716 62.596,18.756 v2(62.886,18.466)
  Signal Layer 1 w0.635: PC104.H1-50@83.716,14.796 84.246,14.796 84.961,14.081 84.961,10.951 83.75,9.74 5V_RADIO_0.1@83.75,6.6
  Signal Layer 2 w1.016: v2(62.886,18.466) 63.036,18.316 75.204,18.316 78.524,14.996 PC104.H1-49@81.176,14.996 PC104.H1-50@83.716,14.996
6V_Radio_1: 6V_RADIO_1.1 PC104.H1-51 PC104.H1-52 R3.1 | length 5.3
  Signal Layer 1 w0.635: 6V_RADIO_1.1@81.14,7.13 81.176,7.166 PC104.H1-51@81.176,12.456
+RBF: C38.2 P1.1 P1.2 P1.3 P1.4 P5.1 P5.2 P5.3 P5.4 R33.1 R34.2 R93.1 RBF.1 RBF.3 SW1.3 SW1.4 SW2.3 SW2.4 U6.7 U6.8 | length 93.9
  Top Layer w0.254: P1.4@17.886,35.916 19.636,37.666 v1(19.636,40.886)
  Top Layer w0.381: SW1.3@5.63,15.86 v4(7,15.86)
  Top Layer w0.508: RBF.3@5.556,38.846 5.556,38.134 6.305,37.385 8.021,37.385 8.056,37.42 ; SW1.4@5.63,14.61 SW1.3@5.63,15.86 ; RBF.1@8.056,38.846 8.056,37.42 ; v1(8.366,35.916) 8.056,36.226 8.056,37.42 ; v4(13.031,7.09) 13.031,7.021 13.729,6.323 13.729,5.712 13.966,5.475 SW2.4@15.216,5.475
  Signal Layer 1 w0.508: P5.1@2.38,24.85 2.38,20.48 v4(7,15.86) 7,13.93 12.715,8.215 13.031,7.899 v4(13.031,7.09)
  Signal Layer 1 w0.762: P5.4@4.92,27.39 5.12,27.39 6.03,28.3 6.511,28.3 11.455,33.244 12.596,33.244 15.269,35.916 P1.3@15.346,35.916
  Bottom Layer w0.254: P1.4@17.886,35.916 20.864,38.894 R33.1@22.096,38.894 ; v1@19.626,40.876 v1(19.636,40.886) 21.149,42.399 R34.2@22.096,42.399
  Bottom Layer w0.381: U6.8@29.288,29.083 U6.8@29.395,29.087
  Bottom Layer w0.508: v1(8.366,35.916) P1.3@15.346,35.916
  Bottom Layer w0.762: P1.2@17.886,33.376 22.179,29.083 ; U6.8@29.288,29.083 C38.2@28.226,29.083 22.179,29.083 ; U6.8@29.395,29.087 U6.7@30.665,29.087 ; R93.1@29.646,24.17 27.092,24.17 22.179,29.083
-HEATER1_VOLTAGE: P8.7 P8.8 R32.1 | length 48.8
  Top Layer w0.762: v2(12.906,87.136) 12.906,86.999 12.6,86.693 12.6,83.794 12.619,83.775 13.831,83.775 P8.7@13.831,83.576 ; v2(54.579,86.67) 54.782,86.67 54.782,85.326 R32.1@55.146,84.962
  Signal Layer 2 w0.762: v2(12.906,87.136) 13.306,86.736 v2@54.579,86.736
-HEATER2_VOLTAGE: P8.3 P8.4 R28.1 | length 53.4
  Top Layer w0.762: P8.4@17.625,83.576 18.776,83.576 18.776,87.906 v2(18.806,87.936) ; v2(63.23,87.41) 63.23,87.602 63.038,87.41 63.06,87.41 63.06,85.908 R28.1@63.756,85.212
  Signal Layer 2 w0.762: v2(18.806,87.936) 18.806,88.096 19.038,87.864 56.052,87.864 56.505,87.41 v2(63.23,87.41)
-RBF: Q3.2 Q4.2 Q5.2 Q6.2 RBF.2 RBF.4 SW1.1 SW1.2 SW2.1 SW2.2 | length 62.1
  Top Layer w0.508: RBF.2@6.806,38.846 6.806,39.884 6.37,40.32 4.75,40.32 4.306,39.876 RBF.4@4.306,38.846 4.306,38.124 6.906,35.524 6.906,22.766 ; Q3.2@9.656,22.766 6.906,22.766 ; Q4.2@9.666,16.956 5.784,16.956 5.63,17.11 5.63,18.36 5.87,18.36 6.906,19.396 6.906,22.766 ; SW2.1@11.466,5.475 12.564,5.475 12.64,5.551 12.64,5.91 12.029,6.521 12.029,7.051 v4(11.98,7.1)
  Signal Layer 1 w0.508: v4(3.72,15.86) 3.86,15.86 11.98,7.74 v4(11.98,7.1)
  Signal Layer 2 w0.508: v4(3.72,15.86) 6.926,19.066 v4(6.926,21.21)
  Bottom Layer w0.381: Q6.2@9.362,21.21 Q6.2@9.376,21.196
  Bottom Layer w0.508: v4(6.926,21.21) Q6.2@9.362,21.21 ; v4(6.926,27.386) Q5.2@9.376,27.386
-VBAT: C40.2 C41.2 P1.5 P1.6 P1.7 P1.8 P5.5 P5.6 P5.7 P5.8 R47.1 | length 28.2
  Signal Layer 1 w0.762: P5.6@4.92,29.93 13.387,38.397 15.287,38.397 P1.5@15.346,38.456
  Bottom Layer w0.254: P1.8@17.886,40.996 18.769,40.113 C41.2@21.996,40.113 ; R47.1@21.166,46.656 21.656,46.166 21.656,44.786 C40.2@21.996,44.786
  Bottom Layer w0.762: P1.8@17.886,40.996 20.026,43.136 20.026,46.246 20.541,46.762 R47.1@20.541,47.236
A3V3_EPS: C51.1 C59.1 C61.1 C62.2 C64.1 FB1.2 J_V4.2 J_V5.2 J_V6.2 U12.11 U13.2 | length 91.7
  Signal Layer 1 w0.254: v1(62.22,59.446) 62.22,58.022 v1(64.022,56.219)
  Signal Layer 1 w0.381: 58.182,60.628 58.41,60.4 v1(59.71,60.4)
  Signal Layer 1 w0.508: v2@59.866,77.256 v2(59.866,77.786)
  Signal Layer 1 w0.762: v2(54.01,28.4) 54.01,29.824 58.182,33.996 58.182,75.572 v2@59.866,77.256
  Signal Layer 2 w0.254: v1(59.71,60.4) 61.266,60.4 v1(62.22,59.446) ; v1@62.16,59.386 v1@62.22,59.326
  Bottom Layer w0.254: v1(64.022,56.219) 63.82,56.017 63.82,55.41 C61.1@63.356,54.946 63.796,54.506 63.796,53.636 C59.1@63.626,53.466 63.31,53.15 63.31,52.279 64.351,51.239 64.351,49.936 U12.11@64.396,49.891
  Bottom Layer w0.381: J_V4.2@55.664,61.706 55.996,61.706 57.3,63.01 v1(57.75,63.01)
  Bottom Layer w0.508: FB1.2@47.916,28.821 49.411,27.326 C51.1@51.926,27.326 54.03,27.326 ; v2(54.01,28.4) 54.03,28.38 54.03,27.326 ; J_V6.2@55.926,27.192 55.792,27.326 54.03,27.326 ; v2(58.182,68.29) 58.472,68.29 C64.1@60.646,66.116 ; v1(59.71,60.4) 60.301,60.991 U13.2@60.301,62.266 ; U13.2@60.316,62.936 60.316,65.776 C64.1@60.646,66.106 ; J_V5.2@60.956,79.45 61.052,79.546 J_V5.2@61.312,79.546
  Bottom Layer w0.762: v2(59.866,77.786) 60.186,77.786 60.366,77.966 60.366,77.985 60.869,78.488 60.887,78.488 60.956,78.556 J_V5.2@60.956,79.45 ; C64.1@60.646,66.106 C64.1@60.646,66.116
A3V3_HEATER: C34.1 C35.1 J_V6.1 U5.22 | length 7.8
  Bottom Layer w0.254: C35.1@55.086,22.776 55.086,24.32 J_V6.1@55.926,25.16 ; C35.1@55.096,22.936 55.436,22.596 U5.22@60.036,22.596
ADC1_I: C73.1 R30.2 U12.97 U15.2 | length 81.1
  Signal Layer 1 w0.254: v1(8.816,48.246) 8.906,48.336 v1@8.906,71.896
  Signal Layer 2 w0.254: v1(8.816,48.246) 9.106,47.956 37.566,47.956 38.581,48.971 46.409,48.971 47.334,48.046 v1@53.296,48.046
  Bottom Layer w0.254: U15.2@4.545,76.009 5.733,76.009 6.524,75.219 C73.1@6.524,72.146 ; C73.1@7.026,71.976 v1(8.846,71.976) ; 53.526,48.116 54.826,46.816 U12.97@57.821,46.816
  other v1: 53.216,47.946
ADC1_V: C84.2 U12.5 U17.3 U17.4 | length 87.1
  Signal Layer 1 w0.254: v1(22.296,85.756) 22.375,85.756 23.362,84.769 23.362,79.582 22.54,78.76 22.54,54.592 23.336,53.796 v1(23.336,51.536)
  Signal Layer 2 w0.254: v1(23.336,51.536) 23.326,51.546 31.153,51.546 ; 31.153,51.53 31.553,51.13 47.303,51.13 47.665,50.769 50.349,50.769 51.504,51.924 53.226,51.924 57.986,47.164 61.541,47.164 v1(61.557,47.18)
  Bottom Layer w0.254: U17.3@14.676,86.316 U17.4@17.476,86.316 C84.2@19.476,86.316 ; C84.2@19.646,86.146 21.985,86.146 22.296,85.836 v1(22.296,85.756) ; U12.5@61.396,49.891 61.396,48.906 61.557,48.745 v1(61.557,47.18)
  Bottom Layer w0.508: C84.2@19.476,86.316 C84.2@19.646,86.146
ADC2_I: C75.1 R48.2 U12.98 U16.2 | length 68.9
  Signal Layer 1 w0.254: v1(8.026,49.516) 8.026,60.256 v1(8.186,60.416)
  Signal Layer 2 w0.254: v1(8.026,49.516) 8.344,49.834 46.767,49.834 47.128,49.473 v1@51.906,49.473
  Bottom Layer w0.254: U16.2@4.957,64.229 6.243,64.229 7.266,63.206 7.266,60.236 8.006,60.236 v1(8.186,60.416) v1@8.316,60.546 ; v1(51.906,49.426) 52.071,49.591 52.691,49.591 54.965,47.316 55.685,47.316 55.689,47.32 57.817,47.32 U12.98@57.821,47.316